# EAGLE board Mk4 Final Panel (EAGLE 9.0.1), part 2 of 18 (continued)
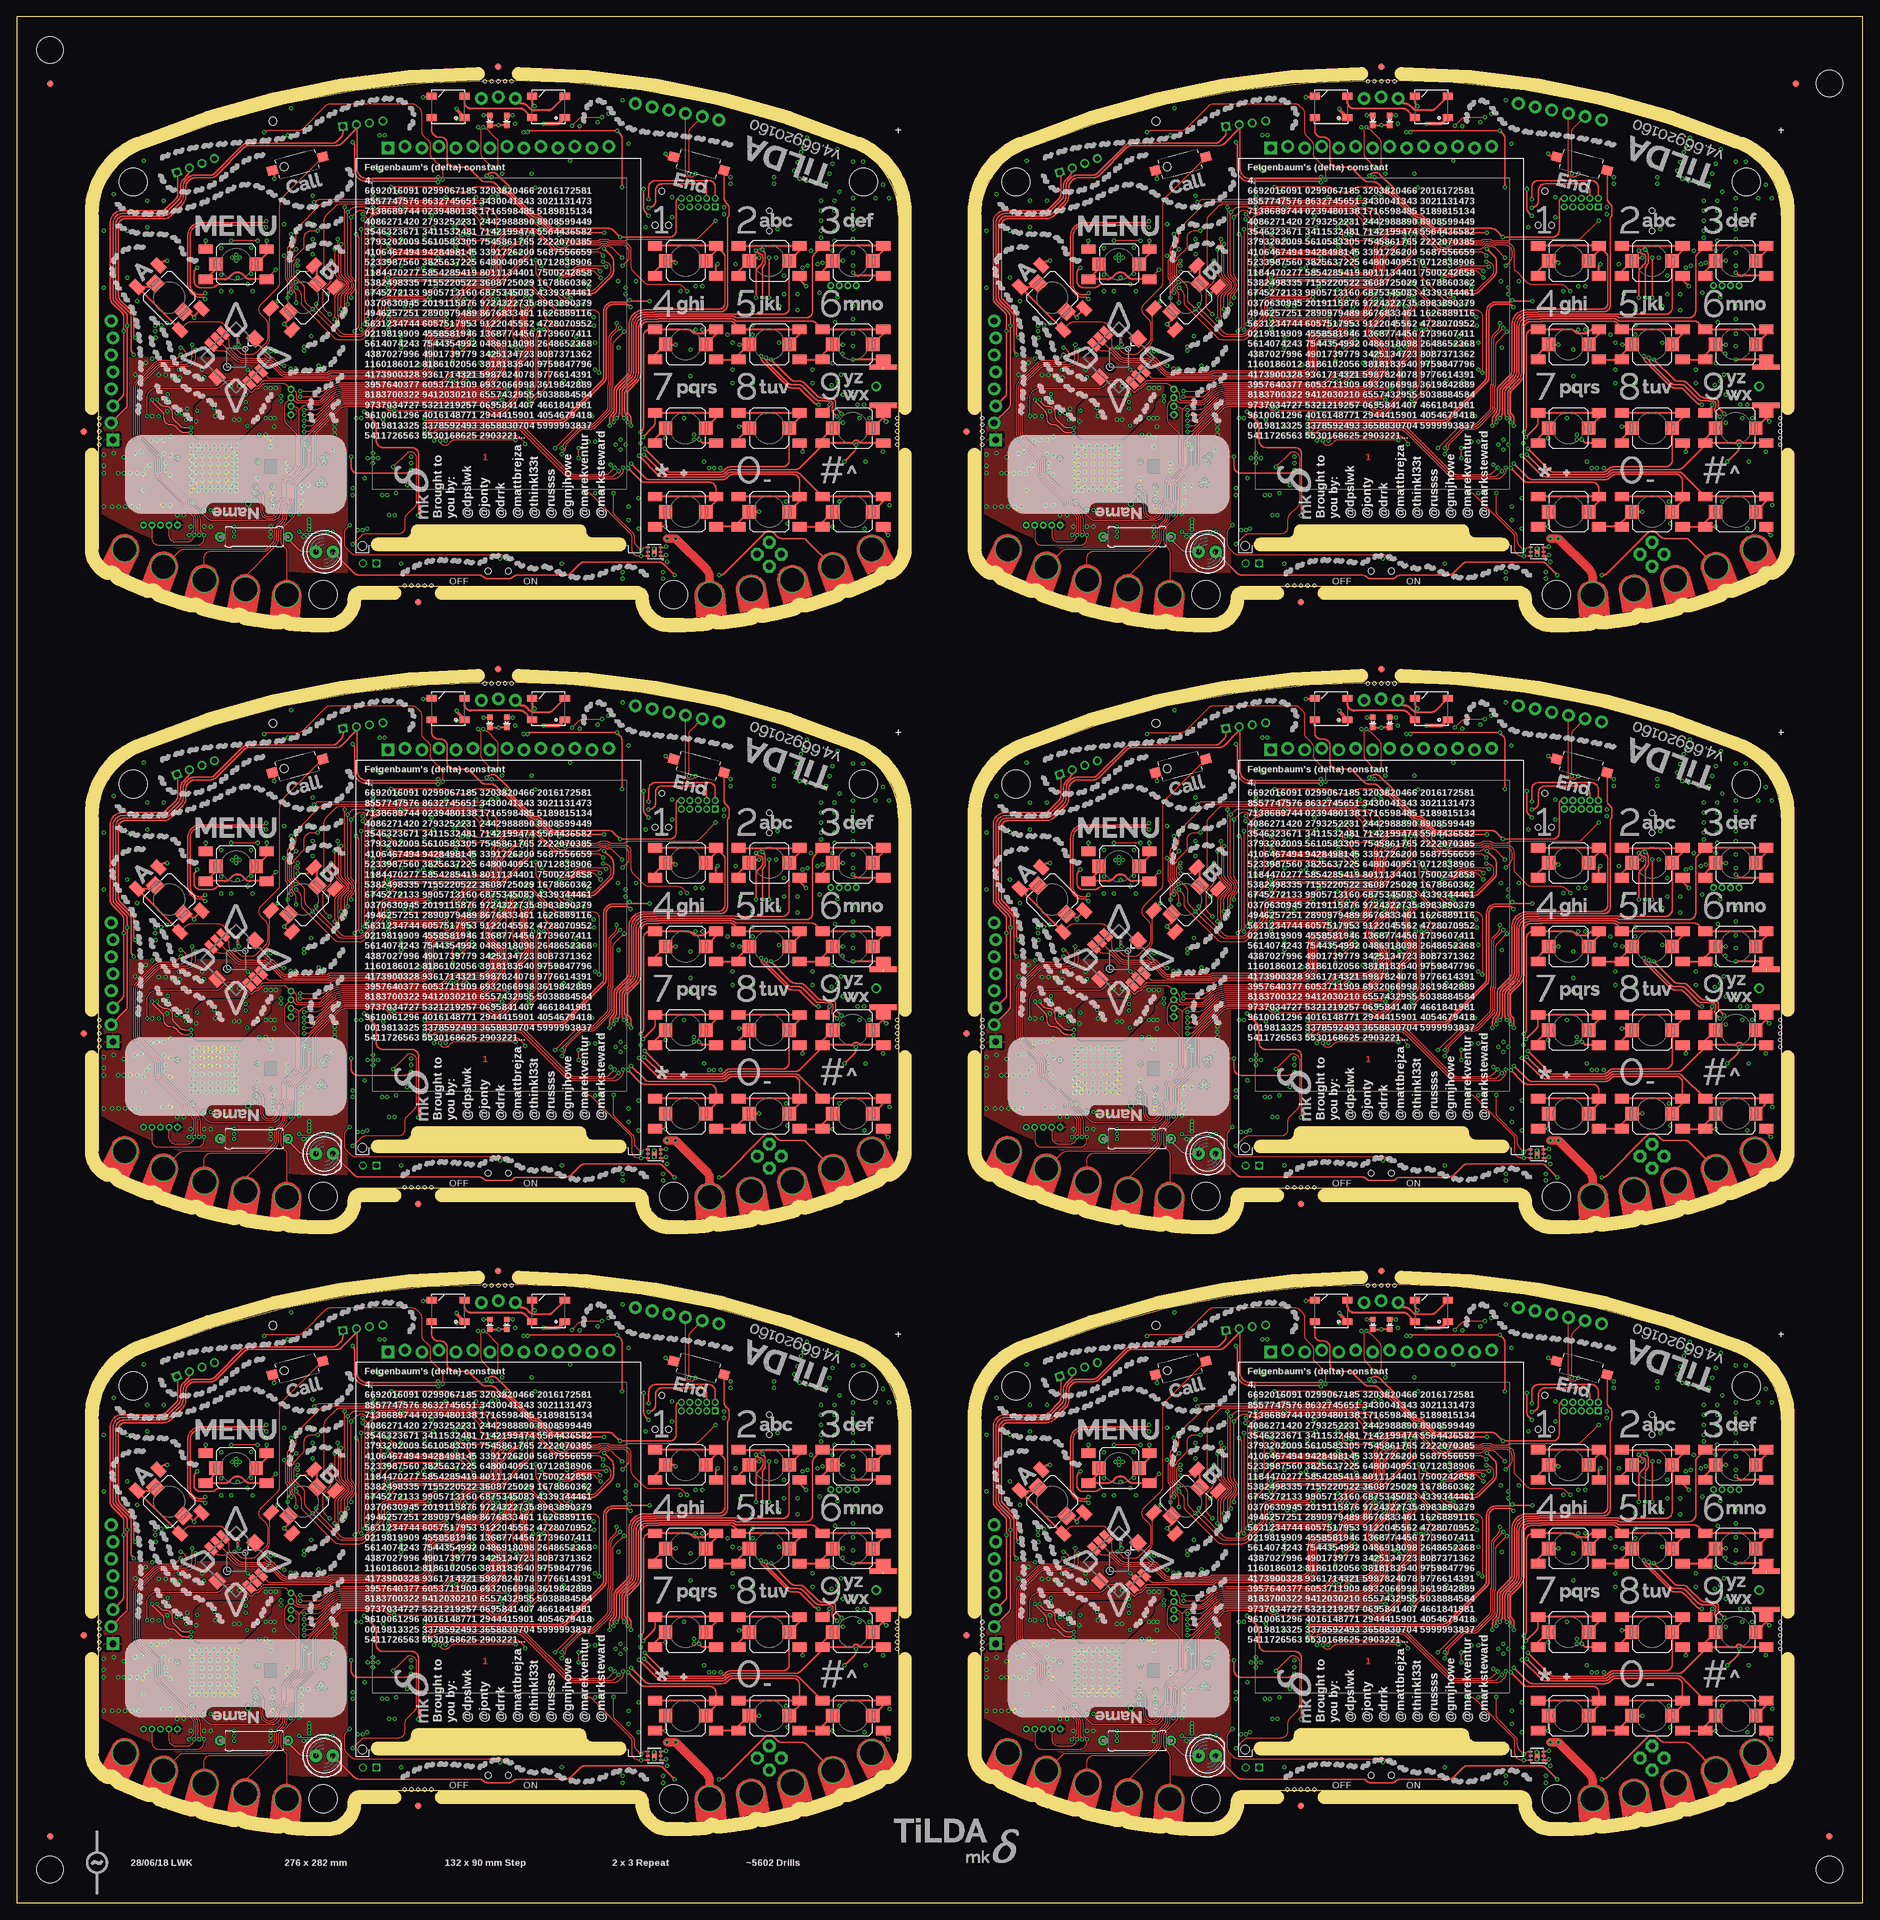
[diagram p0: board, top side]
## Placement (x,y rotation side) (continued)
L38  DFE201610E-R47M=P2  [0806]  47.5,207.15 90 bottom
L39  SRN2512-2R2M  [1008]  48.25,211.75 270 bottom
L40  0402/0R/5%  [L0402]  124.5,229 270 bottom
L41  0402/0R/5%  [L0402]  122.75,258.5 110 bottom
L42  0402/0R/5%  [L0402]  16,215 0 bottom
L43  LQM2HPN2R2MG0L  [1008]  26.5,225.2 180 bottom
L44  LQM2HPN1R0MG0L  [1008]  29.5,225.5 270 bottom
L45  LQM2HPN2R2MG0L  [1008]  36,224 270 bottom
L46  BLM18KG121TN1D  [WUERTH-0805]  210.5,264.75 0 bottom
L47  DFE201610E-R47M=P2  [0806]  179.5,207.15 90 bottom
L48  SRN2512-2R2M  [1008]  180.25,211.75 270 bottom
L49  0402/0R/5%  [L0402]  256.5,229 270 bottom
L50  0402/0R/5%  [L0402]  254.75,258.5 110 bottom
L51  0402/0R/5%  [L0402]  148,215 0 bottom
L52  LQM2HPN2R2MG0L  [1008]  158.5,225.2 180 bottom
L53  LQM2HPN1R0MG0L  [1008]  161.5,225.5 270 bottom
L54  LQM2HPN2R2MG0L  [1008]  168,224 270 bottom
LAYERS1  LAYER_NUMBRS_4_SMALL  [LAYER_NUMBERS_4_SMALL]  69.5,35.5 0 top
LAYERS2  LAYER_NUMBRS_4_SMALL  [LAYER_NUMBERS_4_SMALL]  201.5,35.5 0 top
LAYERS3  LAYER_NUMBRS_4_SMALL  [LAYER_NUMBERS_4_SMALL]  69.5,125.5 0 top
LAYERS4  LAYER_NUMBRS_4_SMALL  [LAYER_NUMBERS_4_SMALL]  201.5,125.5 0 top
LAYERS5  LAYER_NUMBRS_4_SMALL  [LAYER_NUMBERS_4_SMALL]  69.5,215.5 0 top
LAYERS6  LAYER_NUMBRS_4_SMALL  [LAYER_NUMBERS_4_SMALL]  201.5,215.5 0 top
LCD  ER-TFT024-3  [ER-TFT024-3]  72,45.5 0 top
LCD1  ER-TFT024-3  [ER-TFT024-3]  204,45.5 0 top
LCD2  ER-TFT024-3  [ER-TFT024-3]  72,135.5 0 top
LCD3  ER-TFT024-3  [ER-TFT024-3]  204,135.5 0 top
LCD4  ER-TFT024-3  [ER-TFT024-3]  72,225.5 0 top
LCD5  ER-TFT024-3  [ER-TFT024-3]  204,225.5 0 top
LED1  WS2812B  [WS2812B]  64.5,88.5 180 top
LED2  WS2812B  [WS2812B]  79.5,88.5 180 top
LED3  0603 RED  [LED-0603-CORRECT]  73.27,86.5 90 top
LED4  0603 GREEN  [LED-0603-CORRECT]  70.73,86.5 90 top
LED5  LED 5MM  [LED5MM]  46,22 0 top
LED6  0603 RED  [LED-0603-CORRECT]  55.75,40.75 180 bottom
LED7  WS2812B  [WS2812B]  196.5,88.5 180 top
LED8  WS2812B  [WS2812B]  211.5,88.5 180 top
LED9  0603 RED  [LED-0603-CORRECT]  205.27,86.5 90 top
LED10  0603 GREEN  [LED-0603-CORRECT]  202.73,86.5 90 top
LED11  LED 5MM  [LED5MM]  178,22 0 top
LED12  0603 RED  [LED-0603-CORRECT]  187.75,40.75 180 bottom
LED13  WS2812B  [WS2812B]  64.5,178.5 180 top
LED14  WS2812B  [WS2812B]  79.5,178.5 180 top
LED15  0603 RED  [LED-0603-CORRECT]  73.27,176.5 90 top
LED16  0603 GREEN  [LED-0603-CORRECT]  70.73,176.5 90 top
LED17  LED 5MM  [LED5MM]  46,112 0 top
LED18  0603 RED  [LED-0603-CORRECT]  55.75,130.75 180 bottom
LED19  WS2812B  [WS2812B]  196.5,178.5 180 top
LED20  WS2812B  [WS2812B]  211.5,178.5 180 top
LED21  0603 RED  [LED-0603-CORRECT]  205.27,176.5 90 top
LED22  0603 GREEN  [LED-0603-CORRECT]  202.73,176.5 90 top
LED23  LED 5MM  [LED5MM]  178,112 0 top
LED24  0603 RED  [LED-0603-CORRECT]  187.75,130.75 180 bottom
LED25  WS2812B  [WS2812B]  64.5,268.5 180 top
LED26  WS2812B  [WS2812B]  79.5,268.5 180 top
LED27  0603 RED  [LED-0603-CORRECT]  73.27,266.5 90 top
LED28  0603 GREEN  [LED-0603-CORRECT]  70.73,266.5 90 top
LED29  LED 5MM  [LED5MM]  46,202 0 top
LED30  0603 RED  [LED-0603-CORRECT]  55.75,220.75 180 bottom
LED31  WS2812B  [WS2812B]  196.5,268.5 180 top
LED32  WS2812B  [WS2812B]  211.5,268.5 180 top
LED33  0603 RED  [LED-0603-CORRECT]  205.27,266.5 90 top
LED34  0603 GREEN  [LED-0603-CORRECT]  202.73,266.5 90 top
LED35  LED 5MM  [LED5MM]  178,202 0 top
LED36  0603 RED  [LED-0603-CORRECT]  187.75,220.75 180 bottom
LOGO1  LOGO_SIM  [SIM_ICON]  111,32 0 bottom
LOGO2  LOGO_MICROPYTHON-6MM  [LOGO_MICROPYTHON_6MM]  90.75,57.7 0 bottom
LOGO3  LOGO_HCD-4MM  [LOGO_HDC_4MM]  88.4,69.4 0 bottom
LOGO4  LOGO_TI-4MM  [LOGO_TI_4MM]  94.5,74 0 bottom
LOGO5  EMFLOGO-2018-6MM  [EMFLOGO-2018-6MM]  34.5,54 90 bottom
LOGO6  LOGO_SIM  [SIM_ICON]  243,32 0 bottom
LOGO7  LOGO_MICROPYTHON-6MM  [LOGO_MICROPYTHON_6MM]  222.75,57.7 0 bottom
LOGO8  LOGO_HCD-4MM  [LOGO_HDC_4MM]  220.4,69.4 0 bottom
LOGO9  LOGO_TI-4MM  [LOGO_TI_4MM]  226.5,74 0 bottom
LOGO10  EMFLOGO-2018-6MM  [EMFLOGO-2018-6MM]  166.5,54 90 bottom
LOGO11  LOGO_SIM  [SIM_ICON]  111,122 0 bottom
LOGO12  LOGO_MICROPYTHON-6MM  [LOGO_MICROPYTHON_6MM]  90.75,147.7 0 bottom
LOGO13  LOGO_HCD-4MM  [LOGO_HDC_4MM]  88.4,159.4 0 bottom
LOGO14  LOGO_TI-4MM  [LOGO_TI_4MM]  94.5,164 0 bottom
LOGO15  EMFLOGO-2018-6MM  [EMFLOGO-2018-6MM]  34.5,144 90 bottom
LOGO16  LOGO_SIM  [SIM_ICON]  243,122 0 bottom
LOGO17  LOGO_MICROPYTHON-6MM  [LOGO_MICROPYTHON_6MM]  222.75,147.7 0 bottom
LOGO18  LOGO_HCD-4MM  [LOGO_HDC_4MM]  220.4,159.4 0 bottom
LOGO19  LOGO_TI-4MM  [LOGO_TI_4MM]  226.5,164 0 bottom
LOGO20  EMFLOGO-2018-6MM  [EMFLOGO-2018-6MM]  166.5,144 90 bottom
LOGO21  LOGO_SIM  [SIM_ICON]  111,212 0 bottom
LOGO22  LOGO_MICROPYTHON-6MM  [LOGO_MICROPYTHON_6MM]  90.75,237.7 0 bottom
LOGO23  LOGO_HCD-4MM  [LOGO_HDC_4MM]  88.4,249.4 0 bottom
LOGO24  LOGO_TI-4MM  [LOGO_TI_4MM]  94.5,254 0 bottom
LOGO25  EMFLOGO-2018-6MM  [EMFLOGO-2018-6MM]  34.5,234 90 bottom
LOGO26  LOGO_SIM  [SIM_ICON]  243,212 0 bottom
LOGO27  LOGO_MICROPYTHON-6MM  [LOGO_MICROPYTHON_6MM]  222.75,237.7 0 bottom
LOGO28  LOGO_HCD-4MM  [LOGO_HDC_4MM]  220.4,249.4 0 bottom
LOGO29  LOGO_TI-4MM  [LOGO_TI_4MM]  226.5,254 0 bottom
LOGO30  EMFLOGO-2018-6MM  [EMFLOGO-2018-6MM]  166.5,234 90 bottom
PCB  TiLDA Mk4 PCB  [TILDA_MK4_OUTLINE_TALL]  72,12 0 top
PCB1  TiLDA Mk4 PCB  [TILDA_MK4_OUTLINE_TALL]  204,12 0 top
PCB2  TiLDA Mk4 PCB  [TILDA_MK4_OUTLINE_TALL]  72,102 0 top
PCB3  TiLDA Mk4 PCB  [TILDA_MK4_OUTLINE_TALL]  204,102 0 top
PCB4  TiLDA Mk4 PCB  [TILDA_MK4_OUTLINE_TALL]  72,192 0 top
PCB5  TiLDA Mk4 PCB  [TILDA_MK4_OUTLINE_TALL]  204,192 0 top
Q1  2N7002PW  [SC70-3-R]  102.5,41.5 90 bottom
Q2  2N7002PW  [SC70-3-R]  118,25.75 90 bottom
Q3  CSD25402Q3A  [Q3A]  51.75,27.75 0 bottom
Q4  CSD13202Q2  [Q2]  218.5,50.75 270 bottom
Q5  2N7002PW  [SC70-3-R]  250,25.75 90 bottom
Q6  2N7002PW  [SC70-3-R]  234.5,41.5 90 bottom
Q7  CSD25402Q3A  [Q3A]  183.75,27.75 0 bottom
Q8  CSD13202Q2  [Q2]  86.5,50.75 270 bottom
Q9  CSD13202Q2  [Q2]  86.5,140.75 270 bottom
Q10  2N7002PW  [SC70-3-R]  118,115.75 90 bottom
Q11  2N7002PW  [SC70-3-R]  102.5,131.5 90 bottom
Q12  CSD25402Q3A  [Q3A]  51.75,117.75 0 bottom
Q13  CSD13202Q2  [Q2]  218.5,140.75 270 bottom
Q14  2N7002PW  [SC70-3-R]  250,115.75 90 bottom
Q15  2N7002PW  [SC70-3-R]  234.5,131.5 90 bottom
Q16  CSD25402Q3A  [Q3A]  183.75,117.75 0 bottom
Q17  CSD13202Q2  [Q2]  86.5,230.75 270 bottom
Q18  2N7002PW  [SC70-3-R]  118,205.75 90 bottom
Q19  2N7002PW  [SC70-3-R]  102.5,221.5 90 bottom
Q20  CSD25402Q3A  [Q3A]  51.75,207.75 0 bottom
Q21  CSD13202Q2  [Q2]  218.5,230.75 270 bottom
Q22  2N7002PW  [SC70-3-R]  250,205.75 90 bottom
Q23  2N7002PW  [SC70-3-R]  234.5,221.5 90 bottom
Q24  CSD25402Q3A  [Q3A]  183.75,207.75 0 bottom
R1  0402/1K/5%  [R0402-SMALLER]  56.5,79.5 270 bottom
R2  0402/1K/5%  [R0402-SMALLER]  57.5,79.5 270 bottom
R3  0402/4K87/5%  [R0402-SMALLER]  62.25,69.25 0 bottom
R4  0402/10K/5%  [R0402-SMALLER]  70.5,77.25 180 bottom
R5  0402/1M/5%  [R0402-SMALLER]  62.75,71.75 90 bottom
R6  0402/2K/5%  [R0402-SMALLER]  75.75,74.95 90 bottom
R7  0402/1M/5%  [R0402-SMALLER]  89.75,90 270 bottom
R8  0402/100R/5%  [R0402-SMALLER]  90.25,86.5 180 bottom
R9  0402/10K/5%  [R0402-SMALLER]  79.5,56.25 270 bottom
R10  0402/10K/5%  [R0402-SMALLER]  90,53.75 90 bottom
R11  [0309/10]  35.5,24.25 180 top
R12  0402/2K/5%  [R0402-SMALLER]  73.27,86.5 270 bottom
R13  0402/10K/5%  [R0402-SMALLER]  49.75,27.25 90 bottom
R14  0402/4K7/5%  [R0402-SMALLER]  70.73,86.5 270 bottom
R15  0402/10K/5%  [R0402-SMALLER]  57.75,35.25 0 bottom
R16  0402/10K/5%  [R0402-SMALLER]  57.75,34.25 180 bottom
R17  0402/2K/5%  [R0402-SMALLER]  57.75,36.25 180 bottom
R18  0402/10K/5%  [R0402-SMALLER]  53.25,42.5 180 bottom
R19  0402/10K/5%  [R0402-SMALLER]  53.25,41.5 180 bottom
R20  0402/10K/5%  [R0402-SMALLER]  53.75,40 90 bottom
R21  0402/4K7/5%  [R0402-SMALLER]  58.05,60.25 90 bottom
R22  0402/4K7/5%  [R0402-SMALLER]  59.05,60.25 90 bottom
R23  0402/4K7/5%  [R0402-SMALLER]  84.25,61 180 bottom
R24  0402/4K7/5%  [R0402-SMALLER]  84.25,59.75 180 bottom
R25  0402/100K/5%  [R0402-SMALLER]  37,28.75 180 bottom
R26  0402/51R/5%  [R0402-SMALLER]  109.5,64.5 90 bottom
R27  0402/51R/5%  [R0402-SMALLER]  111.5,64.5 90 bottom
R28  0402/51R/5%  [R0402-SMALLER]  112.5,64.5 90 bottom
R29  0402/4K7/5%  [R0402-SMALLER]  118.5,42.75 180 bottom
R30  0402/100K/5%  [R0402-SMALLER]  100.5,41.5 90 bottom
R31  0402/1K/5%  [R0402-SMALLER]  102,53.25 180 bottom
R32  0402/1K/5%  [R0402-SMALLER]  102,54.25 180 bottom
R33  0402/1K/5%  [R0402-SMALLER]  102,51.25 180 bottom
R34  0402/1K/5%  [R0402-SMALLER]  102,50.25 180 bottom
R35  0402/1K/5%  [R0402-SMALLER]  102,49.25 180 bottom
R36  0402/1K/5%  [R0402-SMALLER]  102,45.25 180 bottom
R37  0402/1K/5%  [R0402-SMALLER]  102,47.25 180 bottom
R38  0402/5K6/5%  [R0402-SMALLER]  102,46.25 0 bottom
R39  0402/5K6/5%  [R0402-SMALLER]  102,48.25 0 bottom
R40  0402/5K6/5%  [R0402-SMALLER]  102,52.25 0 bottom
R41  0402/1K/5%  [R0402-SMALLER]  102,44.25 180 bottom
R42  0402/1K/5%  [R0402-SMALLER]  102,43.25 180 bottom
R43  0402/10K/5%  [R0402-SMALLER]  92.75,59 90 bottom
R44  0402/12R/5%  [R0402-SMALLER]  81.5,51 270 bottom
R45  0402/10K/5%  [R0402-SMALLER]  93.75,59 90 bottom
R46  0402/10K/5%  [R0402-SMALLER]  94.25,61.5 180 bottom
R47  0402/12R/5%  [R0402-SMALLER]  84.5,51 270 bottom
R48  0402/12R/5%  [R0402-SMALLER]  83.5,51 270 bottom
R49  0402/12R/5%  [R0402-SMALLER]  82.5,51 270 bottom
R50  0402/22K/5%  [R0402-SMALLER]  92.25,61.5 0 bottom
R51  0402/22K/5%  [R0402-SMALLER]  92.25,60.5 0 bottom
R52  0402/14K7/5%  [R0402-SMALLER]  92.5,70.75 180 bottom
R53  0402/7K87/5%  [R0402-SMALLER]  90.5,70.75 0 bottom
R54  0402/10K/5%  [R0402-SMALLER]  97.5,66.5 270 bottom
R55  0402/10K/5%  [R0402-SMALLER]  99.75,61.75 180 bottom
R56  0402/10K/5%  [R0402-SMALLER]  106.25,71.5 180 bottom
R57  0402/150K/1%  [R0402-SMALLER]  33.95,71.45 0 bottom
R58  0402/150K/1%  [R0402-SMALLER]  33.95,70.45 0 bottom
R59  0402/10K/5%  [R0402-SMALLER]  116,25.75 90 bottom
R60  0402/732K/5%  [R0402-SMALLER]  40.95,26.35 270 bottom
R61  0402/162K/5%  [R0402-SMALLER]  41.95,26.35 90 bottom
R62  0402/10K/5%  [R0402-SMALLER]  24,28.75 270 bottom
R63  0402/100K/5%  [R0402-SMALLER]  21.25,47.2 90 bottom
R64  0402/100K/5%  [R0402-SMALLER]  22.25,47.2 90 bottom
R65  0402/100K/5%  [R0402-SMALLER]  25,28.75 270 bottom
R66  0402/10K/5%  [R0402-SMALLER]  20.5,52.25 90 bottom
R67  0402/100K/5%  [R0402-SMALLER]  23,49.25 180 bottom
R68  0402/100K/5%  [R0402-SMALLER]  37,31.75 180 bottom
R69  0402/100K/5%  [R0402-SMALLER]  37,29.75 180 bottom
R70  0402/100K/5%  [R0402-SMALLER]  38.75,38.5 90 bottom
R71  0402/100K/5%  [R0402-SMALLER]  30.5,28.25 270 bottom
R72  0402/100K/5%  [R0402-SMALLER]  26,27 270 bottom
R73  0402/100K/5%  [R0402-SMALLER]  21.25,41 90 bottom
R74  0402/10K/5%  [R0402-SMALLER]  30.75,68.5 0 bottom
R75  0402/0R/5%  [R0402-SMALLER]  33,73.5 180 bottom
R76  0402/10K/5%  [R0402-SMALLER]  86,39.75 90 bottom
R77  0402/150K/1%  [R0402-SMALLER]  33.95,72.4 0 bottom
R78  0402/150K/1%  [R0402-SMALLER]  34,69.5 0 bottom
R79  0402/12R/5%  [R0402-SMALLER]  216.5,51 270 bottom
R80  0402/12R/5%  [R0402-SMALLER]  215.5,51 270 bottom
R81  0402/12R/5%  [R0402-SMALLER]  214.5,51 270 bottom
R82  0402/12R/5%  [R0402-SMALLER]  213.5,51 270 bottom
R83  0402/2K/5%  [R0402-SMALLER]  205.27,86.5 270 bottom
R84  0402/4K7/5%  [R0402-SMALLER]  202.73,86.5 270 bottom
R85  0402/1K/5%  [R0402-SMALLER]  188.5,79.5 270 bottom
R86  0402/1K/5%  [R0402-SMALLER]  189.5,79.5 270 bottom
R87  0402/4K87/5%  [R0402-SMALLER]  194.25,69.25 0 bottom
R88  0402/10K/5%  [R0402-SMALLER]  202.5,77.25 180 bottom
R89  0402/1M/5%  [R0402-SMALLER]  194.75,71.75 90 bottom
R90  0402/2K/5%  [R0402-SMALLER]  207.75,74.95 90 bottom
R91  0402/1M/5%  [R0402-SMALLER]  221.75,90 270 bottom
R92  0402/100R/5%  [R0402-SMALLER]  222.25,86.5 180 bottom
R93  0402/10K/5%  [R0402-SMALLER]  211.5,56.25 270 bottom
R94  0402/10K/5%  [R0402-SMALLER]  222,53.75 90 bottom
R95  [0309/10]  167.5,24.25 180 top
R96  0402/10K/5%  [R0402-SMALLER]  181.75,27.25 90 bottom
R97  0402/10K/5%  [R0402-SMALLER]  189.75,35.25 0 bottom
R98  0402/10K/5%  [R0402-SMALLER]  189.75,34.25 180 bottom
R99  0402/2K/5%  [R0402-SMALLER]  189.75,36.25 180 bottom
R100  0402/10K/5%  [R0402-SMALLER]  185.25,42.5 180 bottom
R101  0402/10K/5%  [R0402-SMALLER]  185.25,41.5 180 bottom
R102  0402/10K/5%  [R0402-SMALLER]  185.75,40 90 bottom
R103  0402/4K7/5%  [R0402-SMALLER]  190.05,60.25 90 bottom
R104  0402/4K7/5%  [R0402-SMALLER]  191.05,60.25 90 bottom
R105  0402/4K7/5%  [R0402-SMALLER]  216.25,61 180 bottom
R106  0402/4K7/5%  [R0402-SMALLER]  216.25,59.75 180 bottom
R107  0402/100K/5%  [R0402-SMALLER]  169,28.75 180 bottom
R108  0402/51R/5%  [R0402-SMALLER]  241.5,64.5 90 bottom
R109  0402/51R/5%  [R0402-SMALLER]  243.5,64.5 90 bottom
R110  0402/51R/5%  [R0402-SMALLER]  244.5,64.5 90 bottom
R111  0402/4K7/5%  [R0402-SMALLER]  250.5,42.75 180 bottom
R112  0402/100K/5%  [R0402-SMALLER]  232.5,41.5 90 bottom
R113  0402/1K/5%  [R0402-SMALLER]  234,53.25 180 bottom
R114  0402/5K6/5%  [R0402-SMALLER]  234,46.25 0 bottom
R115  0402/1K/5%  [R0402-SMALLER]  234,54.25 180 bottom
R116  0402/1K/5%  [R0402-SMALLER]  234,51.25 180 bottom
R117  0402/1K/5%  [R0402-SMALLER]  234,50.25 180 bottom
R118  0402/1K/5%  [R0402-SMALLER]  234,49.25 180 bottom
R119  0402/1K/5%  [R0402-SMALLER]  234,45.25 180 bottom
R120  0402/1K/5%  [R0402-SMALLER]  234,47.25 180 bottom
R121  0402/5K6/5%  [R0402-SMALLER]  234,48.25 0 bottom
R122  0402/5K6/5%  [R0402-SMALLER]  234,52.25 0 bottom
R123  0402/1K/5%  [R0402-SMALLER]  234,44.25 180 bottom
R124  0402/1K/5%  [R0402-SMALLER]  234,43.25 180 bottom
R125  0402/10K/5%  [R0402-SMALLER]  224.75,59 90 bottom
R126  0402/10K/5%  [R0402-SMALLER]  225.75,59 90 bottom
R127  0402/10K/5%  [R0402-SMALLER]  226.25,61.5 180 bottom
R128  0402/22K/5%  [R0402-SMALLER]  224.25,61.5 0 bottom
R129  0402/22K/5%  [R0402-SMALLER]  224.25,60.5 0 bottom
R130  0402/14K7/5%  [R0402-SMALLER]  224.5,70.75 180 bottom
R131  0402/7K87/5%  [R0402-SMALLER]  222.5,70.75 0 bottom
R132  0402/10K/5%  [R0402-SMALLER]  229.5,66.5 270 bottom
R133  0402/10K/5%  [R0402-SMALLER]  231.75,61.75 180 bottom
R134  0402/10K/5%  [R0402-SMALLER]  238.25,71.5 180 bottom
R135  0402/150K/1%  [R0402-SMALLER]  165.95,71.45 0 bottom
R136  0402/150K/1%  [R0402-SMALLER]  165.95,70.45 0 bottom
R137  0402/10K/5%  [R0402-SMALLER]  248,25.75 90 bottom
R138  0402/732K/5%  [R0402-SMALLER]  172.95,26.35 270 bottom
R139  0402/162K/5%  [R0402-SMALLER]  173.95,26.35 90 bottom
R140  0402/10K/5%  [R0402-SMALLER]  156,28.75 270 bottom
R141  0402/100K/5%  [R0402-SMALLER]  153.25,47.2 90 bottom
R142  0402/100K/5%  [R0402-SMALLER]  154.25,47.2 90 bottom
R143  0402/100K/5%  [R0402-SMALLER]  157,28.75 270 bottom
R144  0402/10K/5%  [R0402-SMALLER]  152.5,52.25 90 bottom
R145  0402/100K/5%  [R0402-SMALLER]  155,49.25 180 bottom
R146  0402/100K/5%  [R0402-SMALLER]  169,31.75 180 bottom
R147  0402/100K/5%  [R0402-SMALLER]  169,29.75 180 bottom
R148  0402/100K/5%  [R0402-SMALLER]  170.75,38.5 90 bottom
R149  0402/100K/5%  [R0402-SMALLER]  162.5,28.25 270 bottom
R150  0402/100K/5%  [R0402-SMALLER]  158,27 270 bottom
R151  0402/100K/5%  [R0402-SMALLER]  153.25,41 90 bottom
R152  0402/10K/5%  [R0402-SMALLER]  218,39.75 90 bottom
R153  0402/150K/1%  [R0402-SMALLER]  165.95,72.4 0 bottom
R154  0402/150K/1%  [R0402-SMALLER]  166,69.5 0 bottom
R155  0402/10K/5%  [R0402-SMALLER]  162.75,68.5 0 bottom
R156  0402/0R/5%  [R0402-SMALLER]  165,73.5 180 bottom
R157  0402/12R/5%  [R0402-SMALLER]  84.5,141 270 bottom
R158  0402/12R/5%  [R0402-SMALLER]  83.5,141 270 bottom
R159  0402/12R/5%  [R0402-SMALLER]  82.5,141 270 bottom
R160  0402/12R/5%  [R0402-SMALLER]  81.5,141 270 bottom
R161  0402/2K/5%  [R0402-SMALLER]  73.27,176.5 270 bottom
R162  0402/4K7/5%  [R0402-SMALLER]  70.73,176.5 270 bottom
R163  0402/1K/5%  [R0402-SMALLER]  56.5,169.5 270 bottom
R164  0402/1K/5%  [R0402-SMALLER]  57.5,169.5 270 bottom
R165  0402/4K87/5%  [R0402-SMALLER]  62.25,159.25 0 bottom
R166  0402/10K/5%  [R0402-SMALLER]  70.5,167.25 180 bottom
R167  0402/1M/5%  [R0402-SMALLER]  62.75,161.75 90 bottom
R168  0402/2K/5%  [R0402-SMALLER]  75.75,164.95 90 bottom
R169  0402/1M/5%  [R0402-SMALLER]  89.75,180 270 bottom
R170  0402/100R/5%  [R0402-SMALLER]  90.25,176.5 180 bottom
R171  0402/10K/5%  [R0402-SMALLER]  79.5,146.25 270 bottom
R172  0402/10K/5%  [R0402-SMALLER]  90,143.75 90 bottom
R173  [0309/10]  35.5,114.25 180 top
R174  0402/10K/5%  [R0402-SMALLER]  49.75,117.25 90 bottom
R175  0402/10K/5%  [R0402-SMALLER]  57.75,125.25 0 bottom
R176  0402/10K/5%  [R0402-SMALLER]  57.75,124.25 180 bottom
R177  0402/2K/5%  [R0402-SMALLER]  57.75,126.25 180 bottom
R178  0402/10K/5%  [R0402-SMALLER]  53.25,132.5 180 bottom
R179  0402/10K/5%  [R0402-SMALLER]  53.25,131.5 180 bottom
R180  0402/10K/5%  [R0402-SMALLER]  53.75,130 90 bottom
R181  0402/4K7/5%  [R0402-SMALLER]  58.05,150.25 90 bottom
R182  0402/4K7/5%  [R0402-SMALLER]  59.05,150.25 90 bottom
R183  0402/4K7/5%  [R0402-SMALLER]  84.25,151 180 bottom
R184  0402/4K7/5%  [R0402-SMALLER]  84.25,149.75 180 bottom
R185  0402/100K/5%  [R0402-SMALLER]  37,118.75 180 bottom
R186  0402/51R/5%  [R0402-SMALLER]  109.5,154.5 90 bottom
R187  0402/51R/5%  [R0402-SMALLER]  111.5,154.5 90 bottom
R188  0402/51R/5%  [R0402-SMALLER]  112.5,154.5 90 bottom
R189  0402/4K7/5%  [R0402-SMALLER]  118.5,132.75 180 bottom
R190  0402/100K/5%  [R0402-SMALLER]  100.5,131.5 90 bottom
R191  0402/1K/5%  [R0402-SMALLER]  102,143.25 180 bottom
R192  0402/5K6/5%  [R0402-SMALLER]  102,136.25 0 bottom
R193  0402/1K/5%  [R0402-SMALLER]  102,144.25 180 bottom
R194  0402/1K/5%  [R0402-SMALLER]  102,141.25 180 bottom
R195  0402/1K/5%  [R0402-SMALLER]  102,140.25 180 bottom
R196  0402/1K/5%  [R0402-SMALLER]  102,139.25 180 bottom
R197  0402/1K/5%  [R0402-SMALLER]  102,135.25 180 bottom
R198  0402/1K/5%  [R0402-SMALLER]  102,137.25 180 bottom
R199  0402/5K6/5%  [R0402-SMALLER]  102,138.25 0 bottom
R200  0402/5K6/5%  [R0402-SMALLER]  102,142.25 0 bottom
R201  0402/1K/5%  [R0402-SMALLER]  102,134.25 180 bottom
R202  0402/1K/5%  [R0402-SMALLER]  102,133.25 180 bottom
R203  0402/10K/5%  [R0402-SMALLER]  92.75,149 90 bottom
R204  0402/10K/5%  [R0402-SMALLER]  93.75,149 90 bottom
R205  0402/10K/5%  [R0402-SMALLER]  94.25,151.5 180 bottom
R206  0402/22K/5%  [R0402-SMALLER]  92.25,151.5 0 bottom
R207  0402/22K/5%  [R0402-SMALLER]  92.25,150.5 0 bottom
R208  0402/14K7/5%  [R0402-SMALLER]  92.5,160.75 180 bottom
R209  0402/7K87/5%  [R0402-SMALLER]  90.5,160.75 0 bottom
R210  0402/10K/5%  [R0402-SMALLER]  97.5,156.5 270 bottom
R211  0402/10K/5%  [R0402-SMALLER]  99.75,151.75 180 bottom
R212  0402/10K/5%  [R0402-SMALLER]  106.25,161.5 180 bottom
R213  0402/150K/1%  [R0402-SMALLER]  33.95,161.45 0 bottom
R214  0402/150K/1%  [R0402-SMALLER]  33.95,160.45 0 bottom
R215  0402/10K/5%  [R0402-SMALLER]  116,115.75 90 bottom
R216  0402/732K/5%  [R0402-SMALLER]  40.95,116.35 270 bottom
R217  0402/162K/5%  [R0402-SMALLER]  41.95,116.35 90 bottom
R218  0402/10K/5%  [R0402-SMALLER]  24,118.75 270 bottom
R219  0402/100K/5%  [R0402-SMALLER]  21.25,137.2 90 bottom
R220  0402/100K/5%  [R0402-SMALLER]  22.25,137.2 90 bottom
R221  0402/100K/5%  [R0402-SMALLER]  25,118.75 270 bottom
R222  0402/10K/5%  [R0402-SMALLER]  20.5,142.25 90 bottom
R223  0402/100K/5%  [R0402-SMALLER]  23,139.25 180 bottom
R224  0402/100K/5%  [R0402-SMALLER]  37,121.75 180 bottom
R225  0402/100K/5%  [R0402-SMALLER]  37,119.75 180 bottom
R226  0402/100K/5%  [R0402-SMALLER]  38.75,128.5 90 bottom
R227  0402/100K/5%  [R0402-SMALLER]  30.5,118.25 270 bottom
R228  0402/100K/5%  [R0402-SMALLER]  26,117 270 bottom
R229  0402/100K/5%  [R0402-SMALLER]  21.25,131 90 bottom
R230  0402/10K/5%  [R0402-SMALLER]  86,129.75 90 bottom
R231  0402/150K/1%  [R0402-SMALLER]  33.95,162.4 0 bottom
R232  0402/150K/1%  [R0402-SMALLER]  34,159.5 0 bottom
R233  0402/10K/5%  [R0402-SMALLER]  30.75,158.5 0 bottom
R234  0402/0R/5%  [R0402-SMALLER]  33,163.5 180 bottom
R235  0402/12R/5%  [R0402-SMALLER]  216.5,141 270 bottom
R236  0402/12R/5%  [R0402-SMALLER]  215.5,141 270 bottom
R237  0402/12R/5%  [R0402-SMALLER]  214.5,141 270 bottom
R238  0402/12R/5%  [R0402-SMALLER]  213.5,141 270 bottom
R239  0402/2K/5%  [R0402-SMALLER]  205.27,176.5 270 bottom
R240  0402/4K7/5%  [R0402-SMALLER]  202.73,176.5 270 bottom
R241  0402/1K/5%  [R0402-SMALLER]  188.5,169.5 270 bottom
R242  0402/1K/5%  [R0402-SMALLER]  189.5,169.5 270 bottom
R243  0402/4K87/5%  [R0402-SMALLER]  194.25,159.25 0 bottom
R244  0402/10K/5%  [R0402-SMALLER]  202.5,167.25 180 bottom
R245  0402/1M/5%  [R0402-SMALLER]  194.75,161.75 90 bottom
R246  0402/2K/5%  [R0402-SMALLER]  207.75,164.95 90 bottom
R247  0402/1M/5%  [R0402-SMALLER]  221.75,180 270 bottom
R248  0402/100R/5%  [R0402-SMALLER]  222.25,176.5 180 bottom
R249  0402/10K/5%  [R0402-SMALLER]  211.5,146.25 270 bottom
R250  0402/10K/5%  [R0402-SMALLER]  222,143.75 90 bottom
R251  [0309/10]  167.5,114.25 180 top
R252  0402/10K/5%  [R0402-SMALLER]  181.75,117.25 90 bottom
R253  0402/10K/5%  [R0402-SMALLER]  189.75,125.25 0 bottom
R254  0402/10K/5%  [R0402-SMALLER]  189.75,124.25 180 bottom
R255  0402/2K/5%  [R0402-SMALLER]  189.75,126.25 180 bottom
R256  0402/10K/5%  [R0402-SMALLER]  185.25,132.5 180 bottom
R257  0402/10K/5%  [R0402-SMALLER]  185.25,131.5 180 bottom
R258  0402/10K/5%  [R0402-SMALLER]  185.75,130 90 bottom
R259  0402/4K7/5%  [R0402-SMALLER]  190.05,150.25 90 bottom
R260  0402/4K7/5%  [R0402-SMALLER]  191.05,150.25 90 bottom
R261  0402/4K7/5%  [R0402-SMALLER]  216.25,151 180 bottom
R262  0402/4K7/5%  [R0402-SMALLER]  216.25,149.75 180 bottom
R263  0402/100K/5%  [R0402-SMALLER]  169,118.75 180 bottom
R264  0402/51R/5%  [R0402-SMALLER]  241.5,154.5 90 bottom
R265  0402/51R/5%  [R0402-SMALLER]  243.5,154.5 90 bottom
R266  0402/51R/5%  [R0402-SMALLER]  244.5,154.5 90 bottom
R267  0402/4K7/5%  [R0402-SMALLER]  250.5,132.75 180 bottom
R268  0402/100K/5%  [R0402-SMALLER]  232.5,131.5 90 bottom
R269  0402/1K/5%  [R0402-SMALLER]  234,143.25 180 bottom
R270  0402/5K6/5%  [R0402-SMALLER]  234,136.25 0 bottom
R271  0402/1K/5%  [R0402-SMALLER]  234,144.25 180 bottom
R272  0402/1K/5%  [R0402-SMALLER]  234,141.25 180 bottom
R273  0402/1K/5%  [R0402-SMALLER]  234,140.25 180 bottom
R274  0402/1K/5%  [R0402-SMALLER]  234,139.25 180 bottom
R275  0402/1K/5%  [R0402-SMALLER]  234,135.25 180 bottom
R276  0402/1K/5%  [R0402-SMALLER]  234,137.25 180 bottom
R277  0402/5K6/5%  [R0402-SMALLER]  234,138.25 0 bottom
R278  0402/5K6/5%  [R0402-SMALLER]  234,142.25 0 bottom
R279  0402/1K/5%  [R0402-SMALLER]  234,134.25 180 bottom
R280  0402/1K/5%  [R0402-SMALLER]  234,133.25 180 bottom
R281  0402/10K/5%  [R0402-SMALLER]  224.75,149 90 bottom
R282  0402/10K/5%  [R0402-SMALLER]  225.75,149 90 bottom
R283  0402/10K/5%  [R0402-SMALLER]  226.25,151.5 180 bottom
R284  0402/22K/5%  [R0402-SMALLER]  224.25,151.5 0 bottom
R285  0402/22K/5%  [R0402-SMALLER]  224.25,150.5 0 bottom
R286  0402/14K7/5%  [R0402-SMALLER]  224.5,160.75 180 bottom
R287  0402/7K87/5%  [R0402-SMALLER]  222.5,160.75 0 bottom
R288  0402/10K/5%  [R0402-SMALLER]  229.5,156.5 270 bottom
R289  0402/10K/5%  [R0402-SMALLER]  231.75,151.75 180 bottom
R290  0402/10K/5%  [R0402-SMALLER]  238.25,161.5 180 bottom
R291  0402/150K/1%  [R0402-SMALLER]  165.95,161.45 0 bottom
R292  0402/150K/1%  [R0402-SMALLER]  165.95,160.45 0 bottom
R293  0402/10K/5%  [R0402-SMALLER]  248,115.75 90 bottom
R294  0402/732K/5%  [R0402-SMALLER]  172.95,116.35 270 bottom
R295  0402/162K/5%  [R0402-SMALLER]  173.95,116.35 90 bottom
R296  0402/10K/5%  [R0402-SMALLER]  156,118.75 270 bottom
R297  0402/100K/5%  [R0402-SMALLER]  153.25,137.2 90 bottom
R298  0402/100K/5%  [R0402-SMALLER]  154.25,137.2 90 bottom
R299  0402/100K/5%  [R0402-SMALLER]  157,118.75 270 bottom
R300  0402/10K/5%  [R0402-SMALLER]  152.5,142.25 90 bottom
R301  0402/100K/5%  [R0402-SMALLER]  155,139.25 180 bottom
R302  0402/100K/5%  [R0402-SMALLER]  169,121.75 180 bottom
R303  0402/100K/5%  [R0402-SMALLER]  169,119.75 180 bottom
R304  0402/100K/5%  [R0402-SMALLER]  170.75,128.5 90 bottom
R305  0402/100K/5%  [R0402-SMALLER]  162.5,118.25 270 bottom
R306  0402/100K/5%  [R0402-SMALLER]  158,117 270 bottom
R307  0402/100K/5%  [R0402-SMALLER]  153.25,131 90 bottom
R308  0402/10K/5%  [R0402-SMALLER]  218,129.75 90 bottom
R309  0402/150K/1%  [R0402-SMALLER]  165.95,162.4 0 bottom
R310  0402/150K/1%  [R0402-SMALLER]  166,159.5 0 bottom
R311  0402/10K/5%  [R0402-SMALLER]  162.75,158.5 0 bottom
R312  0402/0R/5%  [R0402-SMALLER]  165,163.5 180 bottom
R313  0402/12R/5%  [R0402-SMALLER]  84.5,231 270 bottom
R314  0402/12R/5%  [R0402-SMALLER]  83.5,231 270 bottom
R315  0402/12R/5%  [R0402-SMALLER]  82.5,231 270 bottom
R316  0402/12R/5%  [R0402-SMALLER]  81.5,231 270 bottom
R317  0402/2K/5%  [R0402-SMALLER]  73.27,266.5 270 bottom
R318  0402/4K7/5%  [R0402-SMALLER]  70.73,266.5 270 bottom